# KiCad board pcb-hotswap.kicad_pcb (continued)
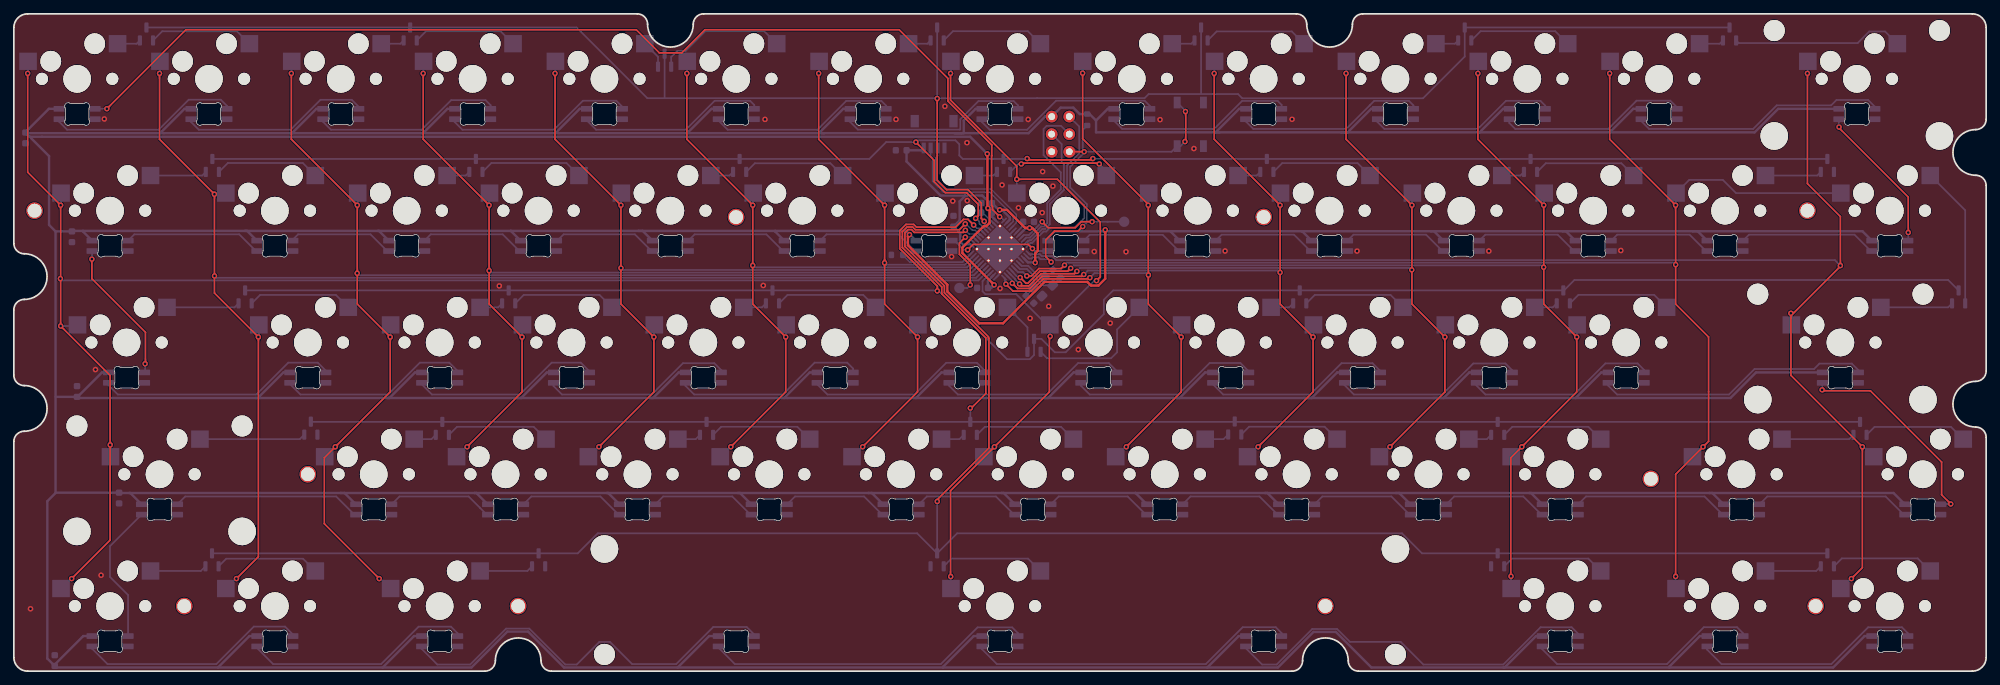
[diagram p0: board, top side]
## Routing (per net, layer and track width the routed paths; a pad name or vN(x,y) marks a point on that pad's centre or on a via; arc(x,y) is an arc through that point) (continued)
Net-(D88-A1): length 15.2
  Bottom w0.25: MX48.2 151.32,35.31 140.31,35.31 139.16,34.15
Net-(D88-A2): length 3.5
  Bottom w0.25: D88.2 136.64,33.53 MX47.2
Net-(D89-A1): length 15
  Bottom w0.25: D89.1 178.49,35.33 189.4,35.33 MX50.2
Net-(D89-A2): length 3.6
  Bottom w0.25: D89.2 174.8,33.53 MX49.2
Net-(D90-A1): length 15.1
  Bottom w0.25: MX52.2 227.52,35.31 216.53,35.31 D90.1
Net-(D90-A2): length 3.5
  Bottom w0.25: D90.2 212.85,33.53 MX51.2
Net-(D91-A1): length 15.2
  Bottom w0.25: D91.1 268.87,35.3 279.92,35.3 MX54.2
Net-(D91-A2): length 10.6
  Bottom w0.25: D91.2 265.2,33.53 MX53.2
Net-(D92-A1): length 15.2
  Bottom w0.25: D92.1 30.68,16.25 41.79,16.25 MX56.2
Net-(D92-A2): length 8.2
  Bottom w0.25: MX55.2 27.02,14.48 D92.2
Net-(D93-A2): length 7.8
  Bottom w0.25: D93.2 74.21,14.48 MX57.2
Net-(D94-A1): length 15.2
  Bottom w0.25: MX58.2 146.55,16.27 135.48,16.27 D94.1
Net-(D95-A1): length 15.1
  Bottom w0.25: MX59.2 227.51,16.27 216.48,16.27 D95.1
Net-(D96-A1): length 15.1
  Bottom w0.25: MX61.2 275.11,16.3 264.15,16.3 D96.1
Net-(D96-A2): length 8.3
  Bottom w0.25: MX60.2 260.44,14.48 D96.2
Net-(U1-PB0): length 16.5
  Top w0.25: v1(155.81,64.95) 154.22,64.95 153.36,64.09 149.45,64.09 v1(148.59,64.95)
  Bottom w0.25: v1(155.81,64.95) 158.05,64.95 158.06,64.95 PB0.1 ; v1(148.59,64.95) 146.69,63.04 145.95,63.04 U1.8
Net-(U1-PE2/~{HWB}): length 10.9
  Bottom w0.25: R4.2 129.5,59.12 137.08,59.12 U1.33
Net-(U1-PF7): length 11.4
  Top w0.25: v1(137.49,62.72) 136.63,61.87 136.63,60.25 138.2,58.68 v1(138.2,55.82)
  Bottom w0.25: U1.36 138.62,62.75 137.75,62.75 137.57,62.58 ; v1(138.2,55.82) 137.76,55.38 PF7.1
Net-(U1-UCap): length 2
  Bottom w0.25: C8.2 145.85,64.4 144.85,63.39 U1.6

## Copper pours and planes (outline as drawn; the poured copper is in the pictures)
GND on Top, Bottom: 296.28,-17.09 -15.31,-16.83 -15.56,115.43 296.02,115.43

Small or netless copper shapes (teardrops, artwork), in the pictures only: 159 on Top, 591 on Bottom

## Text on the board
B.Silkscreen: ISP | RST
F.Mask: PCB design by: | Synth Labs 060 | 0xCB
